# Altium PCB GridSeed_Rev04.PcbDoc (part 3 of 6) (continued)
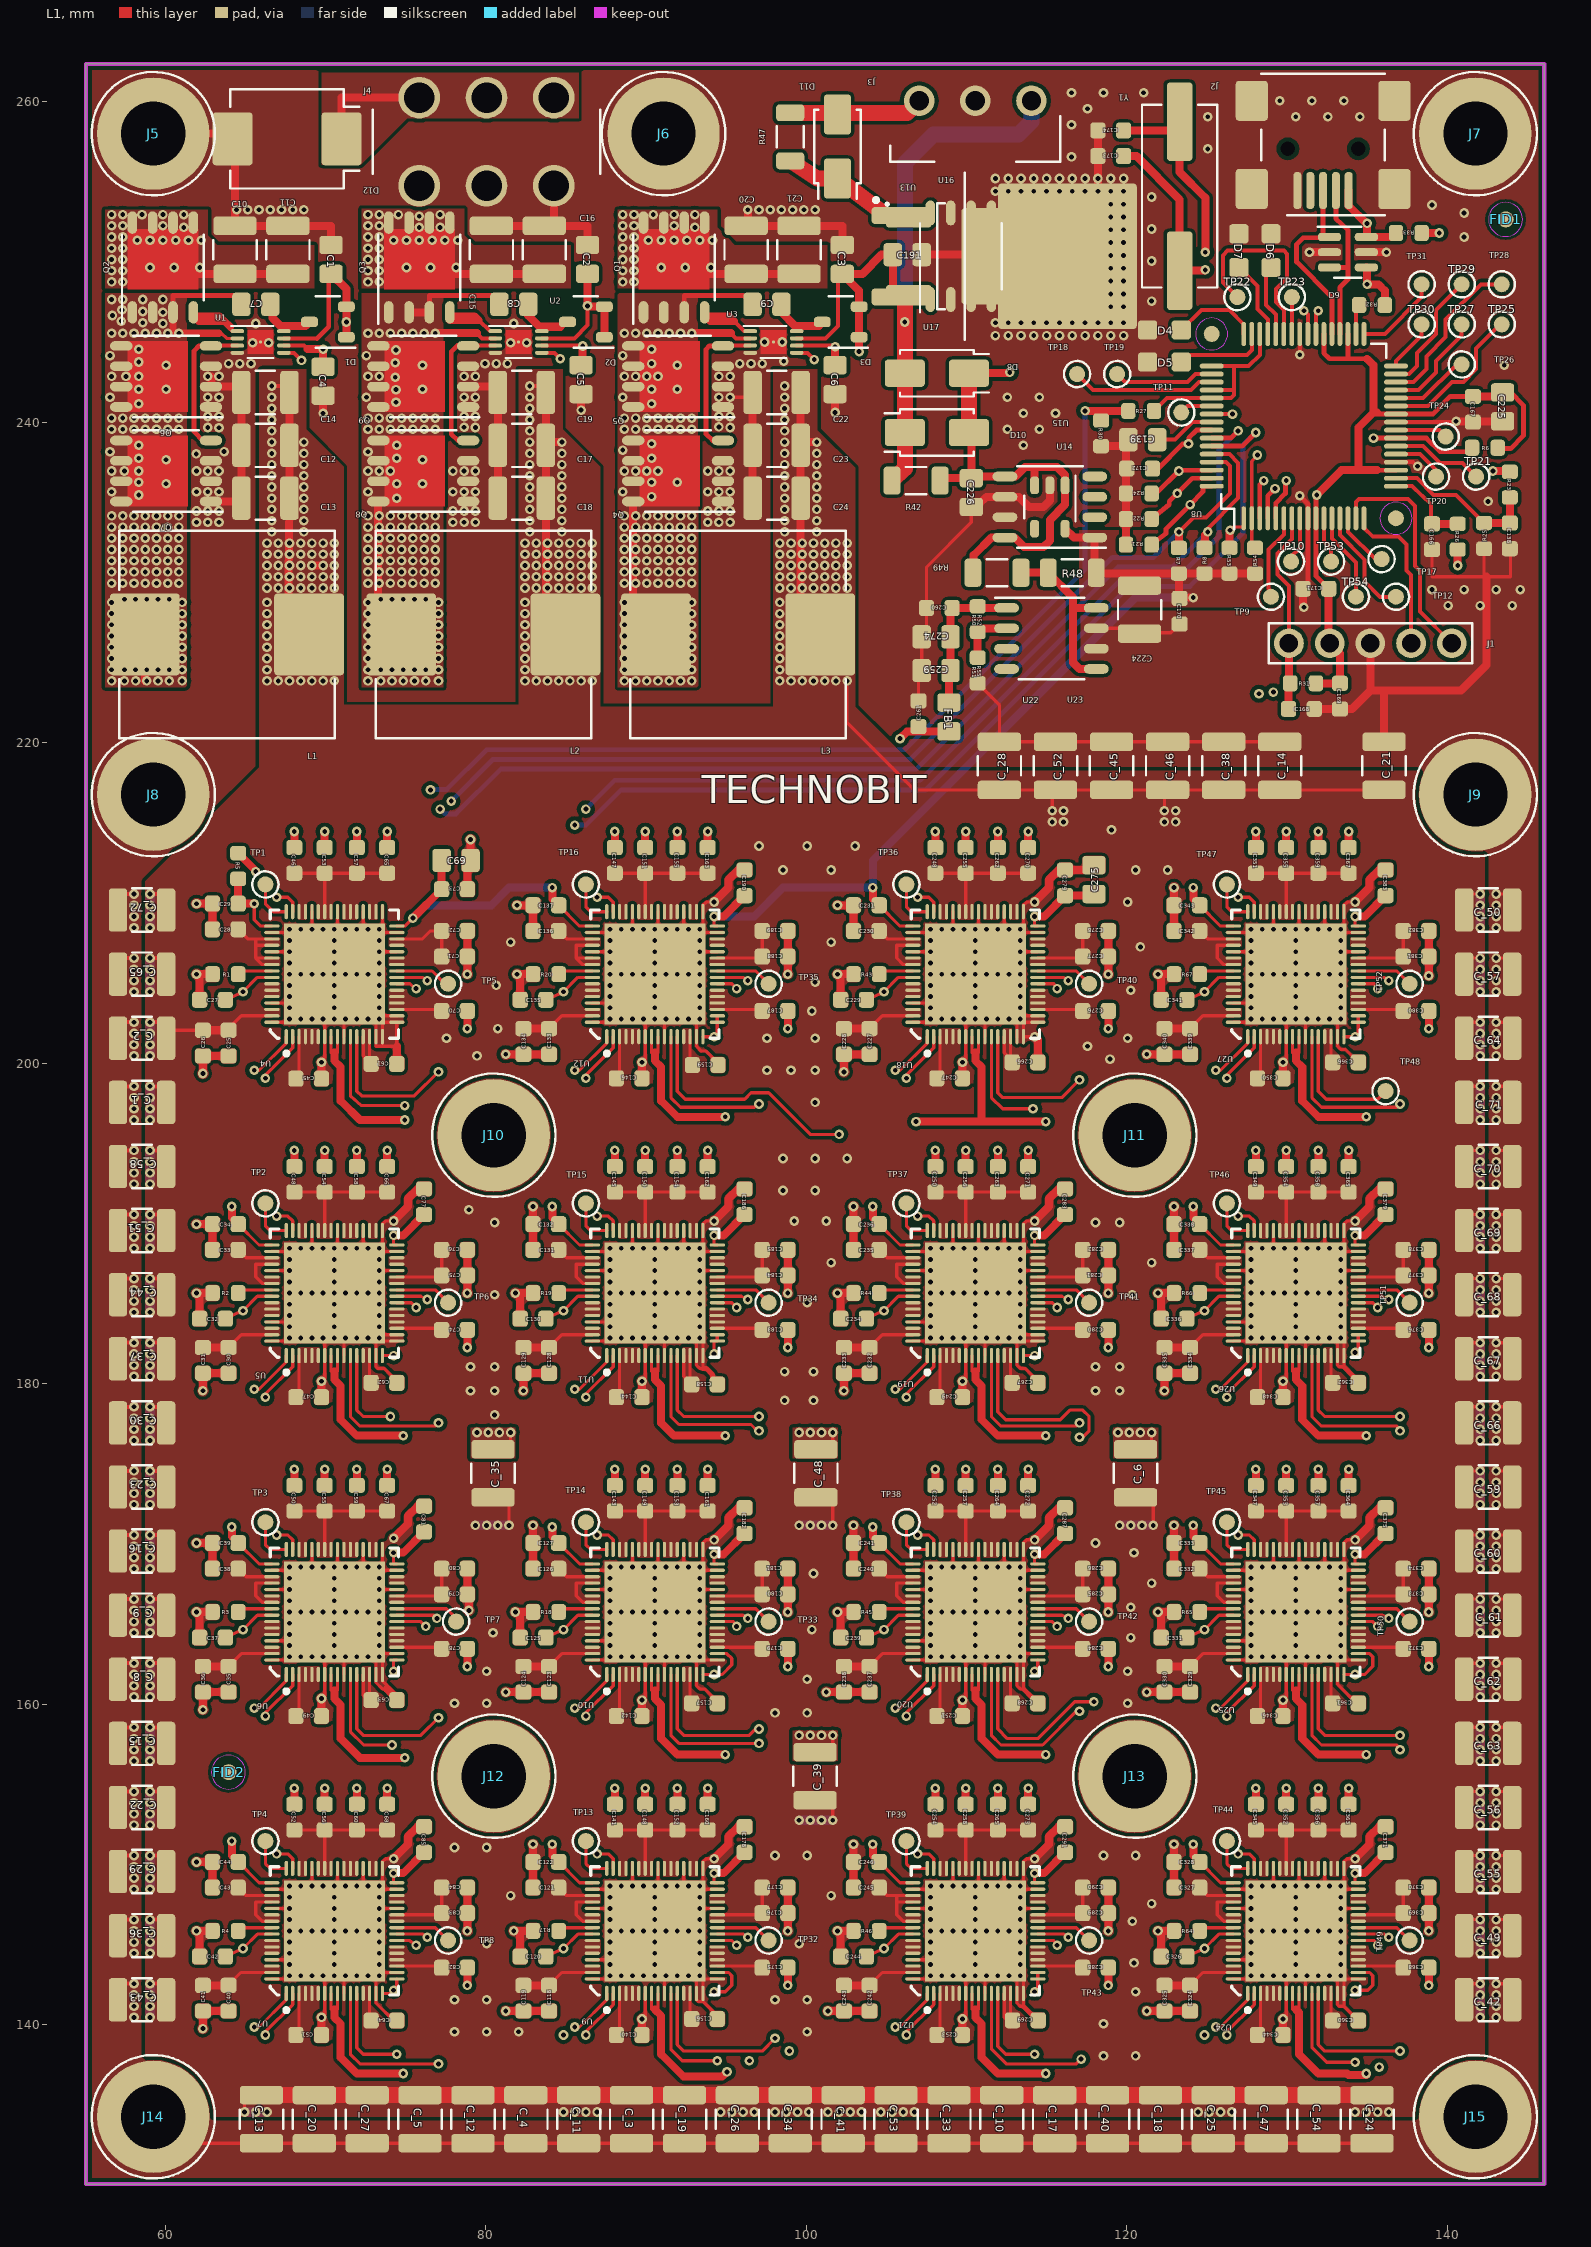
[diagram p0: L1 view]
## Nets (pads, with @x,y where several pads share a name; then routed paths per layer and width w, separated by ;. In a path a pad name is that pad's centre, name@x,y a point inside that pad or via, vN(x,y) a via of type N, cw(c..) or ccw(c..) an arc to the next point about the centre after c; other vN are vias at no path point) (continued)
  L1 w1: C_13.1@66,135.6 C_20.1@69.3,135.6 C_27.1@72.6,135.6 C_5.1@75.9,135.6 C_12.1@79.2,135.6 C_4.1@82.5,135.6 C_11.1@85.8,135.6 C_3.1@89.1,135.6 C_19.1@92.4,135.6 C_26.1@95.7,135.6 C_34.1@99,135.6 C_41.1@102.3,135.6 C_53.1@105.6,135.6 C_33.1@108.9,135.6 C_10.1@112.2,135.6 C_17.1@115.5,135.6 C_40.1@118.8,135.6 C_18.1@122.1,135.6 C_25.1@125.4,135.6 C_47.1@128.7,135.6 C_54.1@132,135.6 C_24.1@135.3,135.6
  L2 w0.6: v1(66.65,233.15) v1(66.65,233.85) v1(66.65,234.55) v1(66.65,235.25) v1(66.65,235.95) v1(66.65,236.65) v1(66.65,237.35) v1(66.65,238.05) v1(66.65,238.75) v1(66.65,239.45) v1(66.65,240.15) v1(66.65,240.85) v1(66.65,241.55) v1(66.65,242.25) ; v1(68.65,233.15) v1(68.65,233.85) v1(68.65,234.55) v1(68.65,235.25) v1(68.65,235.95) v1(68.65,236.65) v1(68.65,237.35) v1(68.65,238.05) v1(68.65,238.75) ; v1(82.75,233.15) v1(82.75,233.85) v1(82.75,234.55) v1(82.75,235.25) v1(82.75,235.95) v1(82.75,236.65) v1(82.75,237.35) v1(82.75,238.05) v1(82.75,238.75) v1(82.75,239.45) v1(82.75,240.15) v1(82.75,240.85) v1(82.75,241.55) v1(82.75,242.25) ; v1(84.75,233.15) v1(84.75,233.85) v1(84.75,234.55) v1(84.75,235.25) v1(84.75,235.95) v1(84.75,236.65) v1(84.75,237.35) v1(84.75,238.05) v1(84.75,238.75) ; v1(98.65,233.15) v1(98.65,233.85) v1(98.65,234.55) v1(98.65,235.25) v1(98.65,235.95) v1(98.65,236.65) v1(98.65,237.35) v1(98.65,238.05) v1(98.65,238.75) v1(98.65,239.45) v1(98.65,240.15) v1(98.65,240.85) v1(98.65,241.55) v1(98.65,242.25) ; v1(100.65,233.15) v1(100.65,233.85) v1(100.65,234.55) v1(100.65,235.25) v1(100.65,235.95) v1(100.65,236.65) v1(100.65,237.35) v1(100.65,238.05) v1(100.65,238.75)
  L4 w0.6: v1(59.05,140.45) v1(59.05,141.15) v1(59.05,141.85) v1(59.05,142.55) ; v1(59.05,144.45) v1(59.05,145.15) v1(59.05,145.85) v1(59.05,146.55) ; v1(59.05,148.45) v1(59.05,149.15) v1(59.05,149.85) v1(59.05,150.55) ; v1(59.05,152.45) v1(59.05,153.15) v1(59.05,153.85) v1(59.05,154.55) ; v1(59.05,156.45) v1(59.05,157.15) v1(59.05,157.85) v1(59.05,158.55) ; v1(59.05,160.45) v1(59.05,161.15) v1(59.05,161.85) v1(59.05,162.55) ; v1(59.05,164.45) v1(59.05,165.15) v1(59.05,165.85) v1(59.05,166.55) ; v1(59.05,168.45) v1(59.05,169.15) v1(59.05,169.85) v1(59.05,170.55) ; v1(59.05,172.45) v1(59.05,173.15) v1(59.05,173.85) v1(59.05,174.55) ; v1(59.05,176.45) v1(59.05,177.15) v1(59.05,177.85) v1(59.05,178.55) ; v1(59.05,180.45) v1(59.05,181.15) v1(59.05,181.85) v1(59.05,182.55) ; v1(59.05,184.45) v1(59.05,185.15) v1(59.05,185.85) v1(59.05,186.55) ; v1(59.05,188.45) v1(59.05,189.15) v1(59.05,189.85) v1(59.05,190.55) ; v1(59.05,192.45) v1(59.05,193.15) v1(59.05,193.85) v1(59.05,194.55) ; v1(59.05,196.45) v1(59.05,197.15) v1(59.05,197.85) v1(59.05,198.55) ; v1(59.05,200.45) v1(59.05,201.15) v1(59.05,201.85) v1(59.05,202.55) ; v1(59.05,204.45) v1(59.05,205.15) v1(59.05,205.85) v1(59.05,206.55) ; v1(59.05,208.45) v1(59.05,209.15) v1(59.05,209.85) v1(59.05,210.55) ; v1(64.95,134.55) v1(65.65,134.55) v1(66.35,134.55) ; v1(79.35,171.15) v1(80.05,171.15) v1(80.75,171.15) v1(81.45,171.15) ; v1(99.55,152.75) v1(100.25,152.75) v1(100.95,152.75) v1(101.65,152.75) ; v1(99.55,171.15) v1(100.25,171.15) v1(100.95,171.15) v1(101.65,171.15) ; v1(119.55,171.15) v1(120.25,171.15) v1(120.95,171.15) v1(121.65,171.15) ; v1(142.05,140.45) v1(142.05,141.15) v1(142.05,141.85) v1(142.05,142.55) ; v1(142.05,144.45) v1(142.05,145.15) v1(142.05,145.85) v1(142.05,146.55) ; v1(142.05,148.45) v1(142.05,149.15) v1(142.05,149.85) v1(142.05,150.55) ; v1(142.05,152.45) v1(142.05,153.15) v1(142.05,153.85) v1(142.05,154.55) ; v1(142.05,156.45) v1(142.05,157.15) v1(142.05,157.85) v1(142.05,158.55) ; v1(142.05,160.45) v1(142.05,161.15) v1(142.05,161.85) v1(142.05,162.55) ; v1(142.05,164.45) v1(142.05,165.15) v1(142.05,165.85) v1(142.05,166.55) ; v1(142.05,168.45) v1(142.05,169.15) v1(142.05,169.85) v1(142.05,170.55) ; v1(142.05,172.45) v1(142.05,173.15) v1(142.05,173.85) v1(142.05,174.55) ; v1(142.05,176.45) v1(142.05,177.15) v1(142.05,177.85) v1(142.05,178.55) ; v1(142.05,180.45) v1(142.05,181.15) v1(142.05,181.85) v1(142.05,182.55) ; v1(142.05,184.45) v1(142.05,185.15) v1(142.05,185.85) v1(142.05,186.55) ; v1(142.05,188.45) v1(142.05,189.15) v1(142.05,189.85) v1(142.05,190.55) ; v1(142.05,192.45) v1(142.05,193.15) v1(142.05,193.85) v1(142.05,194.55) ; v1(142.05,196.45) v1(142.05,197.15) v1(142.05,197.85) v1(142.05,198.55) ; v1(142.05,200.45) v1(142.05,201.15) v1(142.05,201.85) v1(142.05,202.55) ; v1(142.05,204.45) v1(142.05,205.15) v1(142.05,205.85) v1(142.05,206.55) ; v1(142.05,208.45) v1(142.05,209.15) v1(142.05,209.85) v1(142.05,210.55)
  other v1: 84.85,134.55 85.55,134.55 86.25,134.55 86.95,134.55 94.65,134.55 95.35,134.55 96.05,134.55 96.75,134.55 98.05,134.55 98.75,134.55 99.45,134.55 100.15,134.55 101.35,134.55 102.05,134.55 102.75,134.55 103.45,134.55 104.65,134.55 105.35,134.55 106.05,134.55 106.75,134.55 124.45,134.55 125.15,134.55 125.85,134.55 126.55,134.55 134.25,134.55 134.95,134.55 135.65,134.55 136.35,134.55 118.55,138.05 120.55,138.05 78.05,139.55 80.05,139.55 82.05,139.55 100.05,139.55 118.55,140.05 78.05,141.55 80.05,141.55 98.05,141.55 100.05,141.55 120.55,142.05 120.45,143.85 80.05,145.05 99.55,145.05 120.35,146.45 121.55,147.55 81.55,148.05 101.55,148.05 98.05,150.55 100.05,150.55 118.55,150.55 120.55,150.55 78.05,151.05 80.05,151.05 98.05,159.45 100.05,159.45 78.05,160.05 80.05,160.05 120.05,160.05 100.05,161.55 80.05,162.05 120.05,162.05 120.25,164.15 80.45,164.45 100.35,164.65 120.25,166.05 121.55,167.55 100.45,168.15 120.45,169.45 118.05,170.05 80.55,178.05 98.65,178.95 100.45,178.95 79.05,179.55 80.55,179.55 118.05,179.55 119.55,179.55 98.65,180.75 100.45,180.75 79.05,181.05 80.55,181.05 118.05,181.05 119.55,181.05 100.05,185.05 80.55,185.55 120.35,185.55 101.55,187.55 121.55,187.55 80.55,190.05 118.05,190.05 119.55,190.05 99.25,190.15 101.25,190.15 78.95,190.85 98.55,192.05 100.55,192.05 98.55,194.05 100.55,194.05 102.55,194.05 100.55,197.55 97.55,199.55 99.05,199.55 100.55,199.55 118.95,200.25 79.45,200.45 117.55,201.05 77.55,201.55 97.55,201.55 100.55,201.55 120.05,201.55 80.75,202.15 100.35,203.25 120.25,204.55 80.65,204.85 100.55,205.05 120.85,207.25 81.55,207.55 101.55,207.55 120.05,210.05 98.55,212.05 101.55,212.05 120.55,212.05 122.55,212.05 97.05,213.55 100.05,213.55 103.05,213.55 119.05,214.55 115.35,215.05 116.05,215.05 122.35,215.05 123.05,215.05 116.05,215.75 123.05,215.75 66.35,223.85 67.05,223.85 67.75,223.85 68.45,223.85 69.15,223.85 69.85,223.85 70.55,223.85 82.45,223.85 83.15,223.85 83.85,223.85 84.55,223.85 85.25,223.85 85.95,223.85 86.65,223.85 98.35,223.85 99.05,223.85 99.75,223.85 100.45,223.85 101.15,223.85 101.85,223.85 66.35,224.55 82.45,224.55 98.35,224.55 66.35,225.25 82.45,225.25 98.35,225.25 66.35,225.95 82.45,225.95 98.35,225.95 66.35,226.65 82.45,226.65 98.35,226.65 66.35,227.35 82.45,227.35 98.35,227.35 66.35,228.05 82.45,228.05 98.35,228.05 66.35,228.75 82.45,228.75 98.35,228.75 66.35,229.65 67.05,229.65 67.75,229.65 68.45,229.65 69.15,229.65 69.85,229.65 70.55,229.65 82.45,229.65 83.15,229.65 83.85,229.65 84.55,229.65 85.25,229.65 85.95,229.65 86.65,229.65 98.35,229.65 99.05,229.65 99.75,229.65 100.45,229.65 101.15,229.65 101.85,229.65 102.55,229.65 66.35,230.35 67.05,230.35 67.75,230.35 68.45,230.35 69.15,230.35 69.85,230.35 70.55,230.35 82.45,230.35 83.15,230.35 83.85,230.35 84.55,230.35 85.25,230.35 85.95,230.35 86.65,230.35 98.35,230.35 99.05,230.35 99.75,230.35 100.45,230.35 101.15,230.35 101.85,230.35 102.55,230.35 66.35,231.05 67.05,231.05 67.75,231.05 68.45,231.05 70.55,231.05 82.45,231.05 83.15,231.05 83.85,231.05 84.55,231.05 85.25,231.05 85.95,231.05 86.65,231.05 98.35,231.05 99.05,231.05 99.75,231.05 100.45,231.05 101.15,231.05 101.85,231.05 102.55,231.05 66.35,231.75 67.05,231.75 67.75,231.75 68.45,231.75 69.15,231.75 69.85,231.75 70.55,231.75 82.45,231.75 83.15,231.75 83.85,231.75 84.55,231.75 85.25,231.75 85.95,231.75 86.65,231.75 98.35,231.75 99.05,231.75 99.75,231.75 100.45,231.75 101.15,231.75 101.85,231.75 102.55,231.75 66.35,232.45 67.05,232.45 67.75,232.45 68.45,232.45 69.15,232.45 69.85,232.45 70.55,232.45 82.45,232.45 83.15,232.45 83.85,232.45 84.55,232.45 85.25,232.45 85.95,232.45 86.65,232.45 98.35,232.45 99.05,232.45 99.75,232.45 100.45,232.45 101.15,232.45 101.85,232.45 102.55,232.45
3.3V: C29.2 C34.2 C39.2 C44.2 C69.1 C73.2 C77.2 C81.2 C85.2 C122.2 C127.2 C132.2 C137.2 C167.1 C169.1 C170.1 C171.1 C172.1 C178.2 C182.2 C186.2 C190.2 C224.2 C225.1 C231.2 C236.2 C241.2 C246.2 C275.1 C279.2 C283.2 C287.2 C291.2 C328.2 C333.2 C338.2 C343.2 C371.2 C375.2 C379.2 C383.2 J1.2 R5.2 R6.2 R7.2 R8.1 R31.2 R48.2 R53.2 R54.1 U4.32 U4.49 U5.16 U5.32 U5.49 U6.17 U6.32 U6.49 U7.16 U7.17 U7.32 U7.49 U8.10 U8.19 U8.26 U8.35 U8.38 U8.57 U9.18 U9.32 U9.49 U10.16 U10.18 U10.32 U10.49 U11.17 U11.18 U11.32 U11.49 U12.16 U12.17 U12.18 U12.32 U12.49 U14.5 U15.1 U18.32 U18.49 U19.16 U19.32 U19.49 U20.17 U20.32 U20.49 U21.17 U21.18 U21.32 U21.49 U24.18 U24.32 U24.49 U25.16 U25.18 U25.32 U25.49 U26.17 U26.18 U26.32 U26.49 U27.16 U27.17 U27.18 U27.32 U27.49 | length 814.1
  L1 w0.2: C44.2@64.55,150.15 65.85,148.85 U7.49@66.65,148.85 ; C39.2@64.55,170.05 65.85,168.75 U6.49@66.65,168.75 ; C34.2@64.55,189.95 65.85,188.65 U5.49@66.65,188.65 ; v1(65.55,209.95) 65.55,208.95 65.95,208.55 U4.49@66.65,208.55 ; U7.16@73.55,141.95 74.05,141.95 v1(74.25,142.15) 74.45,142.35 U7.17@74.45,142.85 ; U5.16@73.55,181.75 v1(74.25,181.75) ; v1(74.25,149.45) 74.25,148.85 U7.32@74.45,148.85 ; v1(74.25,162.05) 74.25,162.75 U6.17@74.45,162.75 ; v1(74.25,169.45) 74.25,168.75 U6.32@74.45,168.75 ; v1(74.25,189.25) 74.25,188.65 U5.32@74.45,188.65 ; U4.32@74.45,208.55 74.95,208.55 v1(75.45,209.05) ; C122.2@84.55,150.15 85.85,148.85 U9.49@86.65,148.85 ; C127.2@84.55,170.05 85.85,168.75 U10.49@86.65,168.75 ; C132.2@84.55,189.95 85.85,188.65 U11.49@86.65,188.65 ; C137.2@84.55,209.85 85.85,208.55 U12.49@86.65,208.55 ; U10.16@93.55,161.85 v1(94.25,161.85) 94.75,161.85 95.35,162.45 95.35,162.85 95.05,163.15 U10.18@94.45,163.15 ; U12.16@93.55,201.65 v1(94.25,201.65) 94.45,201.85 U12.17@94.45,202.55 U12.18@94.45,202.95 ; v1(94.25,142.05) 94.95,142.05 95.35,142.45 95.35,143.05 95.15,143.25 U9.18@94.45,143.25 ; v1(94.25,149.45) 94.25,148.85 U9.32@94.45,148.85 ; v1(94.25,169.35) 94.25,168.75 U10.32@94.45,168.75 ; v1(94.25,181.85) 94.25,182.65 U11.17@94.45,182.65 U11.18@94.45,183.05 ; v1(94.25,189.25) 94.25,188.65 U11.32@94.45,188.65 ; v1(94.25,209.15) 94.25,208.55 U12.32@94.45,208.55 ; C246.2@104.55,150.15 105.85,148.85 U21.49@106.65,148.85 ; C241.2@104.55,170.05 105.85,168.75 U20.49@106.65,168.75 ; C236.2@104.55,189.95 105.85,188.65 U19.49@106.65,188.65 ; C231.2@104.55,209.85 105.85,208.55 U18.49@106.65,208.55 ; U19.16@113.55,181.75 v1(114.25,181.75) ; v1(114.25,142.05) 114.45,142.25 U21.17@114.45,142.85 U21.18@114.45,143.25 ; v1(114.25,149.45) 114.25,148.85 U21.32@114.45,148.85 ; v1(114.25,162.05) 114.45,162.25 U20.17@114.45,162.75 ; v1(114.25,169.35) 114.25,168.75 U20.32@114.45,168.75 ; v1(114.25,189.25) 114.25,188.65 U19.32@114.45,188.65 ; v1(114.25,209.15) 114.25,208.55 U18.32@114.45,208.55 ; C224.2@120.8,229.8 C224.2@120.85,229.85 ; C328.2@124.55,150.15 125.85,148.85 U24.49@126.65,148.85 ; C333.2@124.55,170.05 125.85,168.75 U25.49@126.65,168.75 ; C338.2@124.55,189.95 125.85,188.65 U26.49@126.65,188.65 ; C343.2@124.55,209.85 125.85,208.55 U27.49@126.65,208.55 ; U25.16@133.55,161.85 v1(134.25,161.85) 134.85,161.85 135.35,162.35 135.35,162.95 135.15,163.15 U25.18@134.45,163.15 ; U27.16@133.55,201.65 v1(134.25,201.65) 134.45,201.85 U27.17@134.45,202.55 U27.18@134.45,202.95 ; v1(134.25,142.15) 135.05,142.15 135.35,142.45 135.35,143.05 135.15,143.25 U24.18@134.45,143.25 ; v1(134.25,149.45) 134.25,148.85 U24.32@134.45,148.85 ; v1(134.25,169.35) 134.25,168.75 U25.32@134.45,168.75 ; v1(134.25,181.95) 134.45,182.15 U26.17@134.45,182.65 U26.18@134.45,183.05 ; v1(134.25,189.25) 134.25,188.65 U26.32@134.45,188.65 ; v1(134.25,209.15) 134.25,208.55 U27.32@134.45,208.55
  L1 w0.25: v1@131.8,235.25 131.8,235.4 v1(131.85,235.45)
  L1 w0.3: C172.1@121.6,237.1 121.95,237.1 123.475,238.625 123.825,238.625 v1(123.85,238.65) 123.875,238.65 123.875,239.025 124.35,239.5 U8.57@125.3,239.5 ; v1@131.8,235.25 131.8,230.4 C171.1@132.6,229.6 ; U8.38@132.3,245.5 132.3,244.3 132.65,243.95 133.8,243.95 ; U8.35@133.8,245.5 133.8,243.95 ; 135,243.95 133.8,243.95 ; 135.6,237 U8.19@136.8,237 ; 135.614,240.586 135.7,240.5 U8.26@136.8,240.5 139.1,240.5 140.2,241.6 C167.1@141.6,241.6 ; R6.2@143.15,238.4 143.2,238.35 143.95,238.35 144.75,239.15 144.75,241.05 143.95,241.85 C225.1@143.45,241.85
  L1 w0.5: v1(64.15,151.45) 64.15,150.55 C44.2@64.55,150.15 ; v1(64.15,171.05) 64.15,170.45 C39.2@64.55,170.05 ; v1(64.15,191.05) 64.15,190.35 C34.2@64.55,189.95 ; R5.2@64.55,211.5 C29.2@64.55,209.95 v1(65.55,209.95) ; v1(74.25,149.45) 74.85,149.45 C85.2@76.15,150.75 ; v1(74.25,169.45) 74.85,169.45 C81.2@76.15,170.75 ; v1(74.25,189.25) 74.85,189.25 C77.2@76.15,190.55 ; v1(75.45,209.05) C73.2@77.25,210.85 C69.1@77.25,212.65 ; v1(84.15,151.25) 84.15,150.55 C122.2@84.55,150.15 ; v1(84.15,171.05) 84.15,170.45 C127.2@84.55,170.05 ; v1(84.15,191.05) 84.15,190.35 C132.2@84.55,189.95 ; v1(84.15,210.95) 84.15,210.25 C137.2@84.55,209.85 ; v1(94.25,149.45) 94.85,149.45 C178.2@96.15,150.75 ; v1(94.25,169.35) 94.85,169.35 C182.2@96.15,170.65 ; v1(94.25,189.25) 94.85,189.25 C186.2@96.15,190.55 ; v1(94.25,209.15) 94.85,209.15 C190.2@96.15,210.45 ; v1(104.15,151.25) 104.15,150.55 C246.2@104.55,150.15 ; v1(104.15,171.05) 104.15,170.45 C241.2@104.55,170.05 ; v1(104.15,191.05) 104.15,190.35 C236.2@104.55,189.95 ; v1(104.15,210.95) 104.15,210.25 C231.2@104.55,209.85 ; v1(114.25,149.45) 114.85,149.45 C291.2@116.15,150.75 ; v1(114.25,169.35) 114.85,169.35 C287.2@116.15,170.65 ; v1(114.25,189.25) 114.85,189.25 C283.2@116.15,190.55 ; v1(114.25,209.15) 114.85,209.15 C279.2@116.15,210.45 117.85,210.45 C275.1@117.95,210.55 ; U14.5@116.15,233.35 116.705,232.795 U15.1@118,232.795 118,230.7 R48.2@118.1,230.6 118.15,230.55 120.85,230.55 ; C224.2@120.85,229.85 120.85,230.55 ; v1(124.15,151.25) 124.15,150.55 C328.2@124.55,150.15 ; v1(124.15,171.15) 124.15,170.45 C333.2@124.55,170.05 ; v1(124.15,191.05) 124.15,190.35 C338.2@124.55,189.95 ; v1(124.15,210.95) 124.15,210.25 C343.2@124.55,209.85 ; v1(124.15,229.05) 123.3,229.05 C170.1@123.3,229 123.25,229.05 R7.2@123.25,230.55 ; R54.1@128.007,230.55 R53.2@126.407,230.55 R8.1@124.85,230.55 R7.2@123.25,230.55 ; R31.2@131.8,223.7 C169.1@133.3,223.7 133.3,225.56 J1.2@132.66,226.2 132.6,226.26 C171.1@132.6,229.6 ; v1(131.85,235.45) 133.4,237 134.45,237 ; v1(134.25,149.45) 134.85,149.45 C371.2@136.15,150.75 ; v1(134.25,169.35) 134.85,169.35 C375.2@136.15,170.65 ; v1(134.25,189.25) 134.85,189.25 C379.2@136.15,190.55 ; v1(134.25,209.15) 134.85,209.15 C383.2@136.15,210.45 ; 135,243.95 135.386,243.564 135.386,240.586 ; 135.6,237 134.45,237 ; 135.614,240.586 135.386,240.586 ; C167.1@141.6,241.6 142.85,241.6 C225.1@143.45,241.85 ; 120.85,230.55 R7.2@123.25,230.55 ; 134.45,237 134.45,239.65 135.386,240.586
  L2 w0.3: v1(64.15,151.45) v1(64.15,171.05) v1(64.15,191.05) 64.15,205.05 65.55,206.45 v1(65.55,209.95) ; v1(84.15,151.25) v1(84.15,171.05) v1(84.15,191.05) v1(84.15,210.95) ; v1(104.15,151.25) v1(104.15,171.05) v1(104.15,191.05) 104.15,191.35 103.65,191.85 103.65,198.85 104.15,199.35 v1(104.15,210.95) ; v1(124.15,151.25) v1(124.15,171.15) v1(124.15,191.05) v1(124.15,210.95) v1(124.15,229.05)
  L3 w0.3: v1(64.15,151.45) 66.15,149.45 v1(74.25,149.45) v1(74.25,142.15) ; v1(64.15,171.05) 65.75,169.45 v1(74.25,169.45) v1(74.25,162.05) ; v1(64.15,191.05) 65.95,189.25 v1(74.25,189.25) v1(74.25,181.75) ; v1(84.15,151.25) 85.95,149.45 v1(94.25,149.45) v1(94.25,142.05) ; v1(84.15,171.05) 85.85,169.35 v1(94.25,169.35) v1(94.25,161.85) ; v1(84.15,191.05) 85.95,189.25 v1(94.25,189.25) v1(94.25,181.85) ; v1(94.25,201.65) v1(94.25,209.15) ; v1(104.15,151.25) 105.95,149.45 v1(114.25,149.45) v1(114.25,142.05) ; v1(104.15,171.05) 105.85,169.35 v1(114.25,169.35) v1(114.25,162.05) ; v1(104.15,191.05) 105.95,189.25 v1(114.25,189.25) v1(114.25,181.75) ; v1(124.15,151.25) 125.95,149.45 v1(134.25,149.45) v1(134.25,142.15) ; v1(124.15,171.15) 125.95,169.35 v1(134.25,169.35) v1(134.25,161.85) ; v1(124.15,191.05) 125.95,189.25 v1(134.25,189.25) v1(134.25,181.95) ; v1(134.25,201.65) v1(134.25,209.15)
  L3 w0.5: v1(65.55,209.95) 66.2,209.3 75.2,209.3 v1(75.45,209.05) ; v1(84.15,210.95) 85.95,209.15 v1(94.25,209.15) ; v1(104.15,210.95) 105.95,209.15 v1(114.25,209.15) ; v1(123.85,238.65) 124.75,237.75 124.75,234.05 ; v1(124.15,210.95) 125.95,209.15 v1(134.25,209.15) ; v1(124.15,229.05) 124.15,233.45 124.75,234.05 ; v1(131.85,235.45) 131.85,234.75 131.15,234.05 124.75,234.05
  L4 w0.5: v1(75.45,209.05) 76.25,209.85 80.35,209.85 81.45,210.95 v1(84.15,210.95) ; v1(94.25,209.15) 96.75,209.15 98.55,210.95 v1(104.15,210.95) 104.15,212.65 120.55,229.05 v1(124.15,229.05)
5.0V: C1.2 C2.2 C3.2 C191.1 D1.1 D1.2 D2.1 D2.2 D3.1 D3.2 D8.2 D10.1 J3.1 R42.1 U1.7 U2.7 U3.7 U13.1 U16.3 U17.3 | length 109.1
  L1 w0.25: U1.7@67.4,245.225 69.475,245.225 ; C1.2@70.2,249.25 C1.2@70.35,249.25 ; U2.7@83.5,245.225 85.525,245.225 86.35,246.05 v1@86.35,247.2 ; U3.7@99.4,245.225 101.2,245.225 101.975,246 101.975,249 102,249 C3.2@102.25,249.25 ; U17.3@106.4,248.06 106.35,247.81 106.15,247.81 U16.3@105.95,247.81 106.15,247.806 106.395,247.801 107.618,247.778 U13.1@107.745,247.65
  L1 w0.3: 69.475,245.225 70.2,245.95 C1.2@70.2,249.25
  L1 w0.5: C1.2@70.35,249.25 71.3,248.3 v1(71.3,246.25) D1.1@71.3,245.3 ; C2.2@86.35,249.25 v1(86.35,247.25) ; D2.1@87.4,245.3 D2.2@87.4,247.2 86.35,247.2 v1@86.33,247.21 ; v1(103.3,244.4) D3.1@103.3,245.3 D3.2@103.3,247.2 103.3,248.2 C3.2@102.25,249.25 103.5,249.25 104.7,250.45 C191.1@105.4,250.45 105.4,247.81 U16.3@105.95,247.81 106.2,248.06 U17.3@106.4,248.06 ; U17.3@106.35,247.81 107.585,247.81 U17.3@107.618,247.778 ; v1@86.33,247.21 v1(86.35,247.25) ; v1@86.33,247.21 86.35,247.23 v1(86.35,247.25)
  L1 w1: R42.1@105.35,236.35 106.1,237.1 106.15,237.1 D8.2@106.15,243.05 v1(106.15,246.25) 106.15,247.806 U17.3@106.15,247.81
  L3 w0.25: v1(71.3,246.25) 71.329,246.277 71.331,246.277 72.504,247.45 86.05,247.45 ; v1(86.35,247.25) 86.05,247.45 ; v1(103.3,244.4) 100.15,247.45 86.05,247.45
  L4 w1: v1(106.15,246.25) 106.15,256.15 107.95,257.95 113.25,257.95 114.05,258.75 J3.1@114.05,260.05
12V: C10.2 C11.2 C15.2 C16.2 C20.1 C21.1 D11.2 D12.1 J3.3 J4.1 J4.2 J4.3 Q1.5 Q1.6 Q1.7 Q1.8 Q2.5 Q2.6 Q2.7 Q2.8 Q3.5 Q3.6 Q3.7 Q3.8 R23.1 R47.2 | length 105.7
  L1 w0.5: v1(62.15,249.65) 62.15,249.25 C10.2@64.35,249.25 C11.2@67.65,249.25 ; D12.1@71,257.675 71,260.25 J4.1@75.85,260.25 ; Q3.5@77.755,252.45 77.755,250.55 77.755,249.25 C15.2@80.35,249.25 C16.2@83.65,249.25 ; 93.655,250.35 Q1.5@93.655,252.45 ; 93.655,250.35 93.655,249.25 C20.1@96.25,249.25 C21.1@99.55,249.25 ; v1(142.85,236.95) 143.89,236.95 R23.1@143.9,236.9
  L1 w1: R47.2@99,259.3 D11.2@102.6,259.3 ; D11.2@101.95,259.2 D11.2@102.6,259.3 ; J3.3@107.05,260.05 106.3,259.3 D11.2@102.6,259.3
  L3 w0.25: J3.3@107.05,260.05 108.55,261.55
  L3 w0.5: 108.55,261.55 144.15,261.55 145.15,260.55 145.15,238.55 143.55,236.95 v1(142.85,236.95)
  other v1: 56.65,248.75 57.35,248.75 72.65,248.75 73.35,248.75 88.55,248.75 89.25,248.75 56.65,249.45 57.35,249.45 72.65,249.45 73.35,249.45 88.55,249.45 89.25,249.45 59.05,249.65 60.55,249.65 75.05,249.65 76.55,249.65 78.15,249.65 90.95,249.65 92.45,249.65 94.05,249.65 56.65,250.15 57.35,250.15 72.65,250.15 73.35,250.15 88.55,250.15 89.25,250.15 56.65,250.85 57.35,250.85 72.65,250.85 73.35,250.85 88.55,250.85 89.25,250.85 58.25,251.35 59.05,251.35 59.85,251.35 60.65,251.35 61.45,251.35 62.25,251.35 74.25,251.35 75.05,251.35 75.85,251.35 76.65,251.35 77.45,251.35 78.25,251.35 90.15,251.35 90.95,251.35 91.75,251.35 92.55,251.35 93.35,251.35 94.15,251.35 56.65,251.55 57.35,251.55 72.65,251.55 73.35,251.55 88.55,251.55 89.25,251.55 61.15,252.15 75.85,252.15 77.15,252.15 93.05,252.15 56.65,252.25 57.35,252.25 59.85,252.25 72.65,252.25 73.35,252.25 88.55,252.25 89.25,252.25 91.75,252.25 75.85,252.85 56.65,252.95 57.35,252.95 58.55,252.95 59.85,252.95 61.15,252.95 72.65,252.95 73.35,252.95 74.55,252.95 77.15,252.95 88.55,252.95 89.25,252.95 90.45,252.95 91.75,252.95 93.05,252.95
ASIC_RESET_MCU: C27.2 C32.2 C37.2 C42.2 C120.2 C125.2 C130.2 C135.2 C229.2 C234.2 C239.2 C244.2 C326.2 C331.2 C336.2 C341.2 R5.1 U4.57 U5.57 U6.57 U7.57 U8.5 U9.57 U10.57 U11.57 U12.57 U18.57 U19.57 U20.57 U21.57 U24.57 U25.57 U26.57 U27.57 | length 455.8
  L1 w0.2: C42.2@63.75,144.25 v1(64.85,144.75) 65.75,145.65 U7.57@66.65,145.65 ; C37.2@63.75,164.15 v1(64.85,164.65) 65.75,165.55 U6.57@66.65,165.55 ; C32.2@63.75,184.05 v1(64.85,184.55) 65.75,185.45 U5.57@66.65,185.45 ; C27.2@63.75,203.95 v1(64.85,204.45) 65.75,205.35 U4.57@66.65,205.35 ; C120.2@83.75,144.25 v1(84.85,144.75) 85.75,145.65 U9.57@86.65,145.65 ; C125.2@83.75,164.15 v1(84.85,164.65) 85.75,165.55 U10.57@86.65,165.55 ; C130.2@83.75,184.05 v1(84.85,184.55) 85.75,185.45 U11.57@86.65,185.45 ; C135.2@83.75,203.95 v1(84.85,204.45) 85.75,205.35 U12.57@86.65,205.35 ; C244.2@103.75,144.25 v1(104.85,144.75) 105.75,145.65 U21.57@106.65,145.65 ; C239.2@103.75,164.15 v1(104.85,164.65) 105.75,165.55 U20.57@106.65,165.55 ; C234.2@103.75,184.05 v1(104.85,184.55) 105.75,185.45 U19.57@106.65,185.45 ; C229.2@103.75,203.95 v1(104.85,204.45) 105.75,205.35 U18.57@106.65,205.35 ; C326.2@123.75,144.25 v1(124.85,144.75) 125.75,145.65 U24.57@126.65,145.65 ; C331.2@123.75,164.15 v1(124.85,164.65) 125.75,165.55 U25.57@126.65,165.55 ; C336.2@123.75,184.05 v1(124.85,184.55) 125.75,185.45 U26.57@126.65,185.45 ; C341.2@123.75,203.95 v1(124.85,204.45) 125.75,205.35 U27.57@126.65,205.35
  L1 w0.3: U8.5@129.3,234 129.3,234.95 129.9,235.55 129.9,236.3 v1(129.95,236.35)
  L1 w0.5: R5.1@64.55,213.1 65.675,211.975 v1(65.65,211.95)
  L2 w0.3: v1(64.85,144.75) v1(64.85,164.65) v1(64.85,184.55) v1(64.85,204.45) 64.85,204.85 66.25,206.25 66.25,211.095 65.65,211.695 v1(65.65,211.95) ; v1(84.85,139.35) v1(84.85,144.75) v1(84.85,164.65) v1(84.85,184.55) v1(84.85,204.45) ; v1(98.95,138.35) 104.05,138.35 104.85,139.15 v1(104.85,144.75) v1(104.85,164.65) v1(104.85,184.55) 104.85,191.55 104.25,192.15 104.25,198.55 104.85,199.15 v1(104.85,204.45) ; v1(124.85,139.35) v1(124.85,144.75) v1(124.85,164.65) v1(124.85,184.55) v1(124.85,204.45) 124.85,230.65 127.75,233.55 127.75,236.65 128.25,237.15 129.15,237.15 v1(129.95,236.35)
  L3 w0.3: v1(64.85,144.75) 64.85,137.45 68.45,133.85 82.75,133.85 86.75,137.85 87.65,137.85 ; v1(84.85,139.35) 84.85,140.45 85.25,140.85 86.85,140.85 87.65,140.05 87.65,137.85 ; v1(98.95,138.35) 98.35,137.75 98.35,136.85 97.25,135.75 89.35,135.75 87.65,137.45 87.65,137.85 ; v1(104.85,144.75) 104.85,137.45 107.65,134.65 123.45,134.65 127.05,138.25 127.05,139.65 126.1,140.6 125.15,140.6 124.85,140.3 v1(124.85,139.35)
BOOT1: C7.1 D1.3 U1.8 | length 3.8
  L1 w0.25: U1.8@67.4,245.675 67.4,246
  L1 w0.5: C7.1@66.55,247.35 66.7,247.2 66.7,246.5 67.2,246 67.4,246 68.75,246 D1.3@69,246.25
BOOT2: C8.1 D2.3 U2.8 | length 3.8
  L1 w0.25: U2.8@83.5,245.675 83.5,245.95
  L1 w0.5: C8.1@82.65,247.35 82.65,246.65 83.35,245.95 83.5,245.95 84.65,245.95 84.95,246.25 D2.3@85.1,246.25
BOOT3: C9.1 D3.3 U3.8 | length 3.9
  L1 w0.25: U3.8@99.4,245.675 99.4,245.975 99.425,246
  L1 w0.5: C9.1@98.45,247.35 98.45,246.85 99.3,246 99.425,246 100.8,246 100.8,246.05 D3.3@101,246.25
CORE_CLKOUT_1: R1.2 U4.56 | length 2.2
  L1 w0.2: R1.2@64.55,205.55 64.85,205.75 U4.56@66.65,205.75
CORE_CLKOUT_2: R2.2 U5.56 | length 2.2
  L1 w0.2: R2.2@64.55,185.65 64.85,185.85 U5.56@66.65,185.85
CORE_CLKOUT_3: R3.2 U6.56 | length 2.2
  L1 w0.2: R3.2@64.55,165.75 64.85,165.95 U6.56@66.65,165.95
CORE_CLKOUT_4: R4.2 U7.56 | length 2.2
  L1 w0.2: R4.2@64.55,145.85 64.85,146.05 U7.56@66.65,146.05
CORE_CLKOUT_5: R17.1 U9.56 | length 2.2
  L1 w0.2: R17.1@84.55,145.85 84.85,146.05 U9.56@86.65,146.05
CORE_CLKOUT_6: R18.2 U10.56 | length 2.2
  L1 w0.2: R18.2@84.55,165.75 84.85,165.95 U10.56@86.65,165.95
CORE_CLKOUT_7: R19.2 U11.56 | length 2.2
  L1 w0.2: R19.2@84.55,185.65 84.85,185.85 U11.56@86.65,185.85
CORE_CLKOUT_8: R20.2 U12.56 | length 2.2
  L1 w0.2: R20.2@84.55,205.55 84.85,205.75 U12.56@86.65,205.75
CORE_CLKOUT_9: R43.2 U18.56 | length 2.2
  L1 w0.2: R43.2@104.55,205.55 104.85,205.75 U18.56@106.65,205.75
CORE_CLKOUT_10: R44.2 U19.56 | length 2.2
  L1 w0.2: R44.2@104.55,185.65 104.85,185.85 U19.56@106.65,185.85
CORE_CLKOUT_11: R45.2 U20.56 | length 2.2
  L1 w0.2: R45.2@104.55,165.75 104.85,165.95 U20.56@106.65,165.95
CORE_CLKOUT_12: R46.2 U21.56 | length 2.2
  L1 w0.2: R46.2@104.55,145.85 104.85,146.05 U21.56@106.65,146.05
CORE_CLKOUT_13: R64.2 U24.56 | length 2.2
  L1 w0.2: R64.2@124.55,145.85 124.85,146.05 U24.56@126.65,146.05
CORE_CLKOUT_14: R65.2 U25.56 | length 2.2
  L1 w0.2: R65.2@124.55,165.75 124.85,165.95 U25.56@126.65,165.95
CORE_CLKOUT_15: R66.2 U26.56 | length 2.2
  L1 w0.2: R66.2@124.55,185.65 124.85,185.85 U26.56@126.65,185.85